# KiCad board RP2040_Fullsize.kicad_pcb
title: Echo Basic Keyboard RP2040; date: 2025-02-14; rev: 1.1; company: Michael O'Toole; note: Echo ENR2; note: 34 Pin Connector
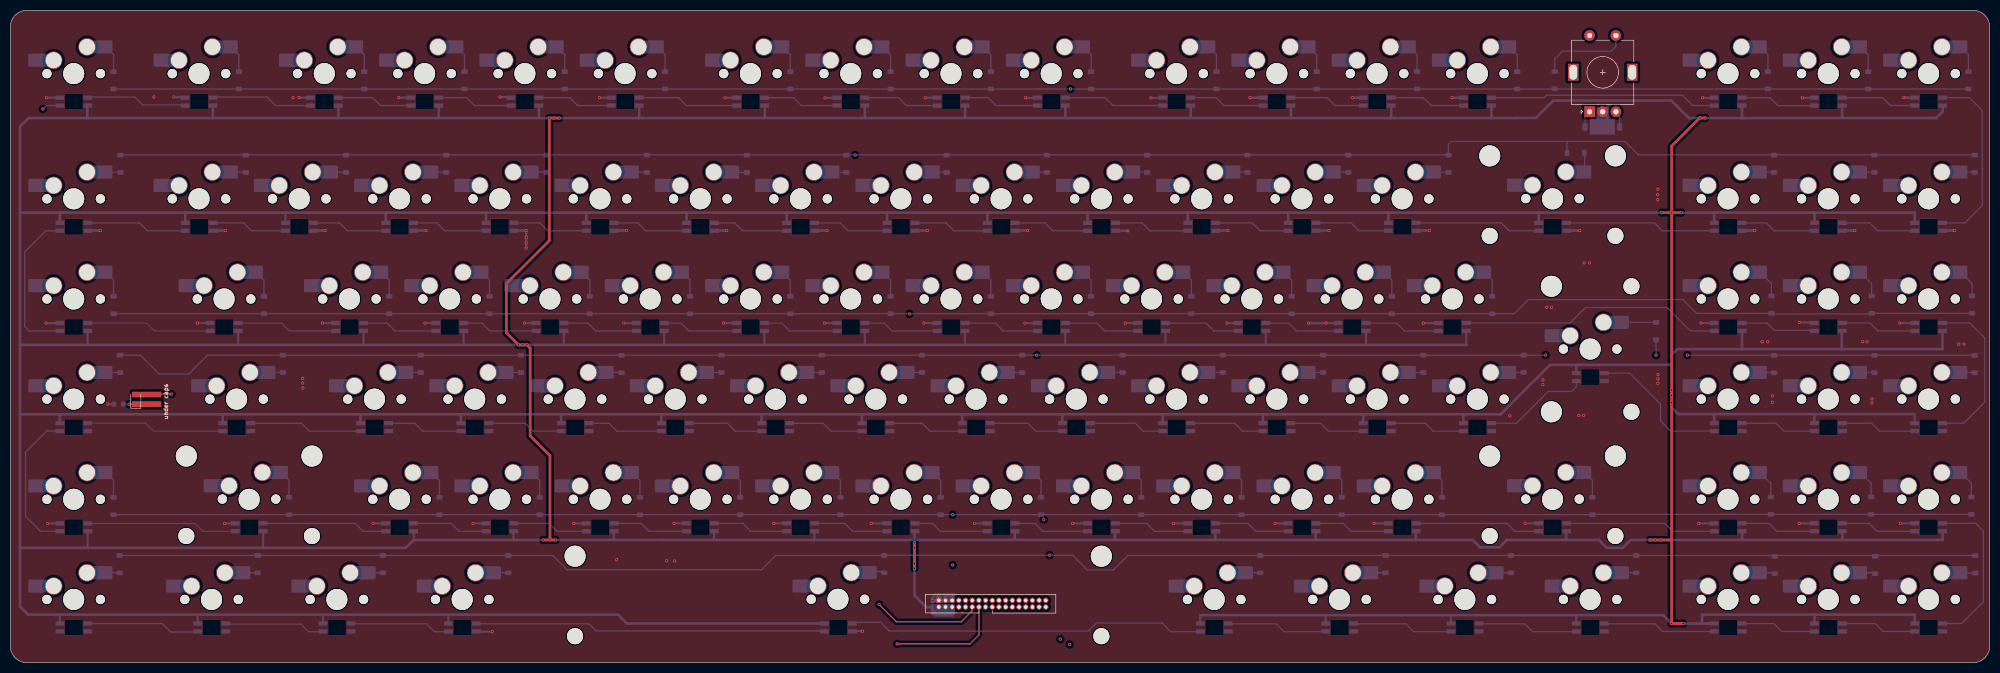
[diagram p0: board, top side]
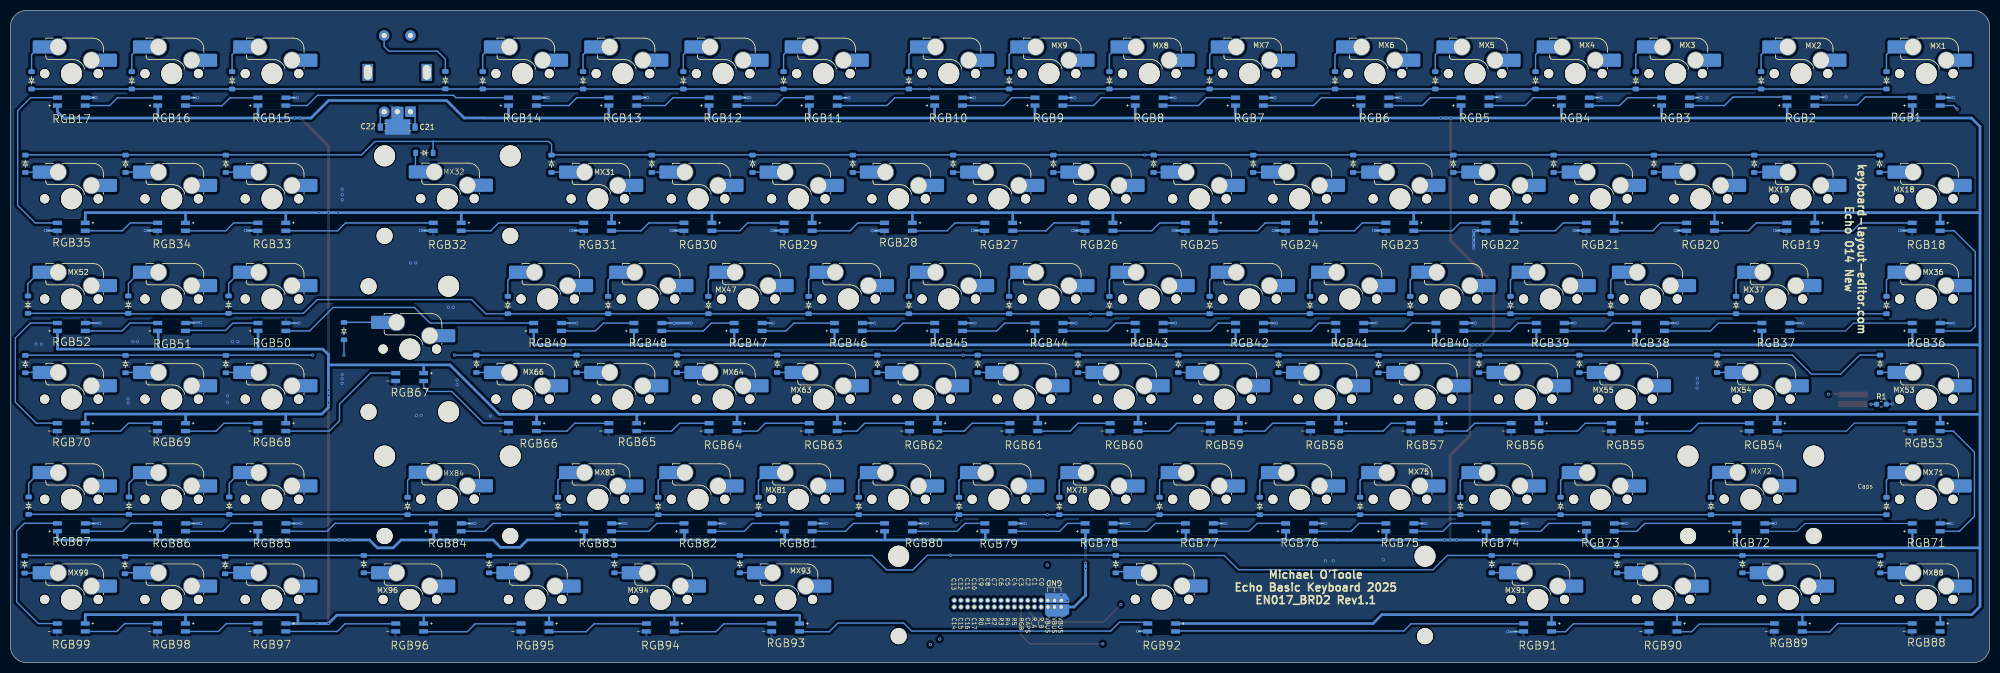
[diagram p1: board, bottom side, seen from below]

Outline 376 x 124 mm; copper layers: Top, In1.Cu, In2.Cu, Bottom. Coordinates in mm from the lower left corner of the outline.
Outline path: 0,121 0,3 arc(0.88,0.88) 3,0 373,0 arc(375.12,0.88) 376,3 376,121 arc(375.12,123.12) 373,124 3,124 arc(0.88,123.12) 0,121
Stack: Top 0.035mm / dielectric 0.1mm FR4 er 4.5 / In1.Cu 0.035mm / dielectric 1.24mm FR4 er 4.5 / In2.Cu 0.035mm / dielectric 0.1mm FR4 er 4.5 / Bottom 0.035mm

## Placement (name value [footprint] x y rotation side)
C21  10n  [C_0805_2012Metric]  300.1 101.84 0 bottom
C22  10n  [C_0805_2012Metric]  304.8 101.84 180 bottom
D1  4148  [Diode_SOD-123]  19.57 110.73 90 bottom
D2  4148  [Diode_SOD-123]  43.39 110.73 90 bottom
D3  4148  [Diode_SOD-123]  67.2 110.73 90 bottom
D4  4148  [Diode_SOD-123]  86.25 110.73 90 bottom
D5  4148  [Diode_SOD-123]  105.3 110.73 90 bottom
D6  4148  [Diode_SOD-123]  124.35 110.73 90 bottom
D7  4148  [Diode_SOD-123]  148.16 110.73 90 bottom
D8  4148  [Diode_SOD-123]  167.21 110.73 90 bottom
D9  4148  [Diode_SOD-123]  186.26 110.73 90 bottom
D10  4148  [Diode_SOD-123]  205.31 110.73 90 bottom
D11  4148  [Diode_SOD-123]  229.12 110.73 90 bottom
D12  4148  [Diode_SOD-123]  248.18 110.73 90 bottom
D13  4148  [Diode_SOD-123]  267.22 110.73 90 bottom
D14  4148  [Diode_SOD-123]  286.27 110.73 90 bottom
D15  4148  [Diode_SOD-123]  333.9 110.73 90 bottom
D16  4148  [Diode_SOD-123]  352.95 110.73 90 bottom
D17  4148  [Diode_SOD-123]  372 110.73 90 bottom
D18  4148  [Diode_SOD-123]  20.89 94.86 270 bottom
D19  4148  [Diode_SOD-123]  44.7 94.86 270 bottom
D20  4148  [Diode_SOD-123]  63.75 94.86 270 bottom
D21  4148  [Diode_SOD-123]  82.8 94.86 270 bottom
D22  4148  [Diode_SOD-123]  101.85 94.86 270 bottom
D23  4148  [Diode_SOD-123]  120.9 94.86 270 bottom
D24  4148  [Diode_SOD-123]  139.89 94.86 270 bottom
D25  4148  [Diode_SOD-123]  158.81 94.86 270 bottom
D26  4148  [Diode_SOD-123]  177.86 94.86 270 bottom
D27  4148  [Diode_SOD-123]  196.91 94.86 270 bottom
D28  4148  [Diode_SOD-123]  215.96 94.86 270 bottom
D29  4148  [Diode_SOD-123]  235.01 94.86 270 bottom
D30  4148  [Diode_SOD-123]  254.16 94.86 270 bottom
D31  4148  [Diode_SOD-123]  273.21 94.86 270 bottom
D32  4148  [Diode_SOD-123]  297.37 96.92 0 bottom
D33  4148  [Diode_SOD-123]  335.09 94.86 270 bottom
D34  4148  [Diode_SOD-123]  354.14 94.86 270 bottom
D35  4148  [Diode_SOD-123]  373.19 94.86 270 bottom
D36  4148  [Diode_SOD-123]  19.57 67.98 90 bottom
D37  4148  [Diode_SOD-123]  48.14 67.98 90 bottom
D38  4148  [Diode_SOD-123]  71.96 67.98 90 bottom
D39  4148  [Diode_SOD-123]  91.01 67.98 90 bottom
D40  4148  [Diode_SOD-123]  110.06 67.98 90 bottom
D41  4148  [Diode_SOD-123]  129.11 67.98 90 bottom
D42  4148  [Diode_SOD-123]  148.16 67.98 90 bottom
D43  4148  [Diode_SOD-123]  167.21 67.98 90 bottom
D44  4148  [Diode_SOD-123]  186.26 67.98 90 bottom
D45  4148  [Diode_SOD-123]  205.31 67.98 90 bottom
D46  4148  [Diode_SOD-123]  224.36 67.98 90 bottom
D47  4148  [Diode_SOD-123]  243.41 67.98 90 bottom
D48  4148  [Diode_SOD-123]  262.46 67.98 90 bottom
D49  4148  [Diode_SOD-123]  281.51 67.98 90 bottom
D50  4148  [Diode_SOD-123]  334.58 68.06 90 bottom
D51  4148  [Diode_SOD-123]  353.63 68.06 90 bottom
D52  4148  [Diode_SOD-123]  372.68 68.06 90 bottom
D53  4148  [Diode_SOD-123]  20.79 56.81 270 bottom
D54  4148  [Diode_SOD-123]  51.74 56.81 270 bottom
D55  4148  [Diode_SOD-123]  77.94 56.81 270 bottom
D56  4148  [Diode_SOD-123]  96.99 56.81 270 bottom
D57  4148  [Diode_SOD-123]  116.09 56.76 270 bottom
D58  4148  [Diode_SOD-123]  135.09 56.81 270 bottom
D59  4148  [Diode_SOD-123]  154.14 56.81 270 bottom
D60  4148  [Diode_SOD-123]  173.19 56.81 270 bottom
D61  4148  [Diode_SOD-123]  192.24 56.81 270 bottom
D62  4148  [Diode_SOD-123]  211.29 56.81 270 bottom
D63  4148  [Diode_SOD-123]  230.34 56.81 270 bottom
D64  4148  [Diode_SOD-123]  249.39 56.81 270 bottom
D65  4148  [Diode_SOD-123]  268.44 56.81 270 bottom
D66  4148  [Diode_SOD-123]  287.49 56.81 270 bottom
D67  4148  [Diode_SOD-123]  312.65 63.03 90 bottom
D68  4148  [Diode_SOD-123]  335.09 56.76 270 bottom
D69  4148  [Diode_SOD-123]  354.14 56.76 270 bottom
D70  4148  [Diode_SOD-123]  373.19 56.76 270 bottom
D71  4148  [Diode_SOD-123]  19.57 29.76 90 bottom
D72  4148  [Diode_SOD-123]  52.91 29.76 90 bottom
D73  4148  [Diode_SOD-123]  81.49 29.76 90 bottom
D74  4148  [Diode_SOD-123]  100.54 29.76 90 bottom
D75  4148  [Diode_SOD-123]  119.59 29.76 90 bottom
D76  4148  [Diode_SOD-123]  138.64 29.76 90 bottom
D77  4148  [Diode_SOD-123]  157.69 29.76 90 bottom
D78  4148  [Diode_SOD-123]  176.74 29.76 90 bottom
D79  4148  [Diode_SOD-123]  195.79 29.76 90 bottom
D80  4148  [Diode_SOD-123]  214.84 29.76 90 bottom
D81  4148  [Diode_SOD-123]  233.89 29.76 90 bottom
D82  4148  [Diode_SOD-123]  252.94 29.76 90 bottom
D83  4148  [Diode_SOD-123]  271.99 29.76 90 bottom
D84  4148  [Diode_SOD-123]  300.56 29.76 90 bottom
D85  4148  [Diode_SOD-123]  334.45 29.83 90 bottom
D86  4148  [Diode_SOD-123]  353.5 29.83 90 bottom
D87  4148  [Diode_SOD-123]  372.55 29.83 90 bottom
D88  4148  [Diode_SOD-123]  20.74 18.71 270 bottom
D89  4148  [Diode_SOD-123]  46.94 18.71 270 bottom
D90  4148  [Diode_SOD-123]  70.75 18.71 270 bottom
D91  4148  [Diode_SOD-123]  94.56 18.71 270 bottom
D92  4148  [Diode_SOD-123]  166 18.71 270 bottom
D93  4148  [Diode_SOD-123]  237.44 18.71 270 bottom
D94  4148  [Diode_SOD-123]  261.25 18.71 270 bottom
D95  4148  [Diode_SOD-123]  285.06 18.71 270 bottom
D96  4148  [Diode_SOD-123]  308.88 18.71 270 bottom
D97  4148  [Diode_SOD-123]  335.21 18.53 270 bottom
D98  4148  [Diode_SOD-123]  354.26 18.53 270 bottom
D99  4148  [Diode_SOD-123]  373.31 18.66 270 bottom
D100  4148  [Diode_SOD-123]  293.38 110.75 90 bottom
J1  Conn_02x17_Odd_Even  [IDC_2X17_1.27MM]  185.27 11.18 0 bottom
LED1  CAPS  [LED_0805_2012Metric]  23.81 50.05 90 top
MX1  MX_SW_HS  [SW_MX_HS_CPG151101S11_1u]  12 112 180 bottom
MX2  MX_SW_HS  [SW_MX_HS_CPG151101S11_1u]  35.81 112 180 bottom
MX3  MX_SW_HS  [SW_MX_HS_CPG151101S11_1u]  59.62 112 180 bottom
MX4  MX_SW_HS  [SW_MX_HS_CPG151101S11_1u]  78.67 112 180 bottom
MX5  MX_SW_HS  [SW_MX_HS_CPG151101S11_1u]  97.73 112 180 bottom
MX6  MX_SW_HS  [SW_MX_HS_CPG151101S11_1u]  116.77 112 180 bottom
MX7  MX_SW_HS  [SW_MX_HS_CPG151101S11_1u]  140.59 112 180 bottom
MX8  MX_SW_HS  [SW_MX_HS_CPG151101S11_1u]  159.64 112 180 bottom
MX9  MX_SW_HS  [SW_MX_HS_CPG151101S11_1u]  178.69 112 180 bottom
MX10  MX_SW_HS  [SW_MX_HS_CPG151101S11_1u]  197.74 112 180 bottom
MX11  MX_SW_HS  [SW_MX_HS_CPG151101S11_1u]  221.55 112 180 bottom
MX12  MX_SW_HS  [SW_MX_HS_CPG151101S11_1u]  240.6 112 180 bottom
MX13  MX_SW_HS  [SW_MX_HS_CPG151101S11_1u]  259.65 112 180 bottom
MX14  MX_SW_HS  [SW_MX_HS_CPG151101S11_1u]  278.7 112 180 bottom
MX15  MX_SW_HS  [SW_MX_HS_CPG151101S11_1u]  326.32 112 180 bottom
MX16  MX_SW_HS  [SW_MX_HS_CPG151101S11_1u]  345.38 112 180 bottom
MX17  MX_SW_HS  [SW_MX_HS_CPG151101S11_1u]  364.43 112 180 bottom
MX18  MX_SW_HS  [SW_MX_HS_CPG151101S11_1u]  12 88.19 180 bottom
MX19  MX_SW_HS  [SW_MX_HS_CPG151101S11_1u]  35.81 88.19 180 bottom
MX20  MX_SW_HS  [SW_MX_HS_CPG151101S11_1u]  54.86 88.19 180 bottom
MX21  MX_SW_HS  [SW_MX_HS_CPG151101S11_1u]  73.91 88.19 180 bottom
MX22  MX_SW_HS  [SW_MX_HS_CPG151101S11_1u]  92.96 88.19 180 bottom
MX23  MX_SW_HS  [SW_MX_HS_CPG151101S11_1u]  112.01 88.19 180 bottom
MX24  MX_SW_HS  [SW_MX_HS_CPG151101S11_1u]  131.06 88.19 180 bottom
MX25  MX_SW_HS  [SW_MX_HS_CPG151101S11_1u]  150.11 88.19 180 bottom
MX26  MX_SW_HS  [SW_MX_HS_CPG151101S11_1u]  169.16 88.19 180 bottom
MX27  MX_SW_HS  [SW_MX_HS_CPG151101S11_1u]  188.21 88.19 180 bottom
MX28  MX_SW_HS  [SW_MX_HS_CPG151101S11_1u]  207.26 88.19 180 bottom
MX29  MX_SW_HS  [SW_MX_HS_CPG151101S11_1u]  226.31 88.19 180 bottom
MX30  MX_SW_HS  [SW_MX_HS_CPG151101S11_1u]  245.36 88.19 180 bottom
MX31  MX_SW_HS  [SW_MX_HS_CPG151101S11_1u]  264.41 88.19 180 bottom
MX32  MX_SW_HS  [SW_MX_HS_CPG151101S11_2u]  292.99 88.19 180 bottom
MX33  MX_SW_HS  [SW_MX_HS_CPG151101S11_1u]  326.32 88.19 180 bottom
MX34  MX_SW_HS  [SW_MX_HS_CPG151101S11_1u]  345.38 88.19 180 bottom
MX35  MX_SW_HS  [SW_MX_HS_CPG151101S11_1u]  364.43 88.19 180 bottom
MX36  MX_SW_HS  [SW_MX_HS_CPG151101S11_1u]  12 69.14 180 bottom
MX37  MX_SW_HS  [SW_MX_HS_CPG151101S11_1.5u]  40.58 69.14 180 bottom
MX38  MX_SW_HS  [SW_MX_HS_CPG151101S11_1u]  64.39 69.14 180 bottom
MX39  MX_SW_HS  [SW_MX_HS_CPG151101S11_1u]  83.44 69.14 180 bottom
MX40  MX_SW_HS  [SW_MX_HS_CPG151101S11_1u]  102.49 69.14 180 bottom
MX41  MX_SW_HS  [SW_MX_HS_CPG151101S11_1u]  121.54 69.14 180 bottom
MX42  MX_SW_HS  [SW_MX_HS_CPG151101S11_1u]  140.59 69.14 180 bottom
MX43  MX_SW_HS  [SW_MX_HS_CPG151101S11_1u]  159.64 69.14 180 bottom
MX44  MX_SW_HS  [SW_MX_HS_CPG151101S11_1u]  178.69 69.14 180 bottom
MX45  MX_SW_HS  [SW_MX_HS_CPG151101S11_1u]  197.74 69.14 180 bottom
MX46  MX_SW_HS  [SW_MX_HS_CPG151101S11_1u]  216.79 69.14 180 bottom
MX47  MX_SW_HS  [SW_MX_HS_CPG151101S11_1u]  235.84 69.14 180 bottom
MX48  MX_SW_HS  [SW_MX_HS_CPG151101S11_1u]  254.89 69.14 180 bottom
MX49  MX_SW_HS  [SW_MX_HS_CPG151101S11_1u]  273.94 69.14 180 bottom
MX50  MX_SW_HS  [SW_MX_HS_CPG151101S11_1u]  326.32 69.14 180 bottom
MX51  MX_SW_HS  [SW_MX_HS_CPG151101S11_1u]  345.38 69.14 180 bottom
MX52  MX_SW_HS  [SW_MX_HS_CPG151101S11_1u]  364.43 69.14 180 bottom
MX53  MX_SW_HS  [SW_MX_HS_CPG151101S11_1u]  12 50.09 180 bottom
MX54  MX_SW_HS  [SW_MX_HS_CPG151101S11_1.75u]  42.96 50.09 180 bottom
MX55  MX_SW_HS  [SW_MX_HS_CPG151101S11_1u]  69.15 50.09 180 bottom
MX56  MX_SW_HS  [SW_MX_HS_CPG151101S11_1u]  88.2 50.09 180 bottom
MX57  MX_SW_HS  [SW_MX_HS_CPG151101S11_1u]  107.25 50.09 180 bottom
MX58  MX_SW_HS  [SW_MX_HS_CPG151101S11_1u]  126.3 50.09 180 bottom
MX59  MX_SW_HS  [SW_MX_HS_CPG151101S11_1u]  145.35 50.09 180 bottom
MX60  MX_SW_HS  [SW_MX_HS_CPG151101S11_1u]  164.4 50.09 180 bottom
MX61  MX_SW_HS  [SW_MX_HS_CPG151101S11_1u]  183.45 50.09 180 bottom
MX62  MX_SW_HS  [SW_MX_HS_CPG151101S11_1u]  202.5 50.09 180 bottom
MX63  MX_SW_HS  [SW_MX_HS_CPG151101S11_1u]  221.55 50.09 180 bottom
MX64  MX_SW_HS  [SW_MX_HS_CPG151101S11_1u]  240.6 50.09 180 bottom
MX65  MX_SW_HS  [SW_MX_HS_CPG151101S11_1u]  259.65 50.09 180 bottom
MX66  MX_SW_HS  [SW_MX_HS_CPG151101S11_1u]  278.7 50.09 180 bottom
MX67  MX_SW_HS  [SW_MX_HS_CPG151101S11_1u_ISO_Enter]  300.13 59.61 180 bottom
MX68  MX_SW_HS  [SW_MX_HS_CPG151101S11_1u]  326.32 50.09 180 bottom
MX69  MX_SW_HS  [SW_MX_HS_CPG151101S11_1u]  345.38 50.09 180 bottom
MX70  MX_SW_HS  [SW_MX_HS_CPG151101S11_1u]  364.43 50.09 180 bottom
MX71  MX_SW_HS  [SW_MX_HS_CPG151101S11_1u]  12 31.04 180 bottom
MX72  MX_SW_HS  [SW_MX_HS_CPG151101S11_2u]  45.34 31.04 180 bottom
MX73  MX_SW_HS  [SW_MX_HS_CPG151101S11_1u]  73.91 31.04 180 bottom
MX74  MX_SW_HS  [SW_MX_HS_CPG151101S11_1u]  92.96 31.04 180 bottom
MX75  MX_SW_HS  [SW_MX_HS_CPG151101S11_1u]  112.01 31.04 180 bottom
MX76  MX_SW_HS  [SW_MX_HS_CPG151101S11_1u]  131.06 31.04 180 bottom
MX77  MX_SW_HS  [SW_MX_HS_CPG151101S11_1u]  150.11 31.04 180 bottom
MX78  MX_SW_HS  [SW_MX_HS_CPG151101S11_1u]  169.16 31.04 180 bottom
MX79  MX_SW_HS  [SW_MX_HS_CPG151101S11_1u]  188.21 31.04 180 bottom
MX80  MX_SW_HS  [SW_MX_HS_CPG151101S11_1u]  207.26 31.04 180 bottom
MX81  MX_SW_HS  [SW_MX_HS_CPG151101S11_1u]  226.31 31.04 180 bottom
MX82  MX_SW_HS  [SW_MX_HS_CPG151101S11_1u]  245.36 31.04 180 bottom
MX83  MX_SW_HS  [SW_MX_HS_CPG151101S11_1u]  264.41 31.04 180 bottom
MX84  MX_SW_HS  [SW_MX_HS_CPG151101S11_2u]  292.99 31.04 180 bottom
MX85  MX_SW_HS  [SW_MX_HS_CPG151101S11_1u]  326.32 31.04 180 bottom
MX86  MX_SW_HS  [SW_MX_HS_CPG151101S11_1u]  345.38 31.04 180 bottom
MX87  MX_SW_HS  [SW_MX_HS_CPG151101S11_1u]  364.43 31.04 180 bottom
MX88  MX_SW_HS  [SW_MX_HS_CPG151101S11_1u]  12 11.99 180 bottom
MX89  MX_SW_HS  [SW_MX_HS_CPG151101S11_1.25u]  38.19 11.99 180 bottom
MX90  MX_SW_HS  [SW_MX_HS_CPG151101S11_1.25u]  62.01 11.99 180 bottom
MX91  MX_SW_HS  [SW_MX_HS_CPG151101S11_1.25u]  85.82 11.99 180 bottom
MX92  MX_SW_HS  [SW_MX_HS_6.25U]  157.26 11.99 180 bottom
MX93  MX_SW_HS  [SW_MX_HS_CPG151101S11_1.25u]  228.69 11.99 180 bottom
MX94  MX_SW_HS  [SW_MX_HS_CPG151101S11_1.25u]  252.51 11.99 180 bottom
MX95  MX_SW_HS  [SW_MX_HS_CPG151101S11_1.25u]  276.32 11.99 180 bottom
MX96  MX_SW_HS  [SW_MX_HS_CPG151101S11_1u]  300.13 11.99 180 bottom
MX97  MX_SW_HS  [SW_MX_HS_CPG151101S11_1u]  326.32 11.99 180 bottom
MX98  MX_SW_HS  [SW_MX_HS_CPG151101S11_1u]  345.38 11.99 180 bottom
MX99  MX_SW_HS  [SW_MX_HS_CPG151101S11_1u]  364.43 11.99 180 bottom
R1  1K  [R_0603_1608Metric_Pad0.98x0.95mm_HandSolder]  20.54 49.13 180 bottom
RGB1  -  [SK6812-E]  12.03 106.68 0 bottom
RGB2  -  [SK6812-E]  35.84 106.68 0 bottom
RGB3  -  [SK6812-E]  59.65 106.68 0 bottom
RGB4  -  [SK6812-E]  78.7 106.68 0 bottom
RGB5  -  [SK6812-E]  97.75 106.68 0 bottom
RGB6  -  [SK6812-E]  116.8 106.68 0 bottom
RGB7  -  [SK6812-E]  140.61 106.68 0 bottom
RGB8  -  [SK6812-E]  159.66 106.68 0 bottom
RGB9  -  [SK6812-E]  178.71 106.68 0 bottom
RGB10  -  [SK6812-E]  197.76 106.68 0 bottom
RGB11  -  [SK6812-E]  221.57 106.68 0 bottom
RGB12  -  [SK6812-E]  240.62 106.68 0 bottom
RGB13  -  [SK6812-E]  259.68 106.68 0 bottom
RGB14  -  [SK6812-E]  278.72 106.68 0 bottom
RGB15  -  [SK6812-E]  326.35 106.68 0 bottom
RGB16  -  [SK6812-E]  345.4 106.68 0 bottom
RGB17  -  [SK6812-E]  364.45 106.68 0 bottom
RGB18  -  [SK6812-E]  12.03 82.86 180 bottom
RGB19  -  [SK6812-E]  35.84 82.86 180 bottom
RGB20  -  [SK6812-E]  54.89 82.86 180 bottom
RGB21  -  [SK6812-E]  73.94 82.86 180 bottom
RGB22  -  [SK6812-E]  92.99 82.86 180 bottom
RGB23  -  [SK6812-E]  112.04 82.86 180 bottom
RGB24  -  [SK6812-E]  131.09 82.86 180 bottom
RGB25  -  [SK6812-E]  150.14 82.86 180 bottom
RGB26  -  [SK6812-E]  169.19 82.86 180 bottom
RGB27  -  [SK6812-E]  188.24 82.86 180 bottom
RGB28  -  [SK6812-E]  207.29 82.86 180 bottom
RGB29  -  [SK6812-E]  226.34 82.86 180 bottom
RGB30  -  [SK6812-E]  245.39 82.86 180 bottom
RGB31  -  [SK6812-E]  264.44 82.86 180 bottom
RGB32  -  [SK6812-E]  293.01 82.86 180 bottom
RGB33  -  [SK6812-E]  326.35 82.86 180 bottom
RGB34  -  [SK6812-E]  345.4 82.86 180 bottom
RGB35  -  [SK6812-E]  364.45 82.86 180 bottom
RGB36  -  [SK6812-E]  12.03 63.81 0 bottom
RGB37  -  [SK6812-E]  40.6 63.81 0 bottom
RGB38  -  [SK6812-E]  64.41 63.81 0 bottom
RGB39  -  [SK6812-E]  83.46 63.81 0 bottom
RGB40  -  [SK6812-E]  102.51 63.81 0 bottom
RGB41  -  [SK6812-E]  121.56 63.81 0 bottom
RGB42  -  [SK6812-E]  140.61 63.81 0 bottom
RGB43  -  [SK6812-E]  159.66 63.81 0 bottom
RGB44  -  [SK6812-E]  178.71 63.81 0 bottom
RGB45  -  [SK6812-E]  197.76 63.81 0 bottom
RGB46  -  [SK6812-E]  216.81 63.81 0 bottom
RGB47  -  [SK6812-E]  235.86 63.81 0 bottom
RGB48  -  [SK6812-E]  254.91 63.81 0 bottom
RGB49  -  [SK6812-E]  273.96 63.81 0 bottom
RGB50  -  [SK6812-E]  326.35 63.81 0 bottom
RGB51  -  [SK6812-E]  345.4 63.81 0 bottom
RGB52  -  [SK6812-E]  364.45 63.81 0 bottom
RGB53  -  [SK6812-E]  12.03 44.76 180 bottom
RGB54  -  [SK6812-E]  42.98 44.76 180 bottom
RGB55  -  [SK6812-E]  69.17 44.76 180 bottom
RGB56  -  [SK6812-E]  88.23 44.76 180 bottom
RGB57  -  [SK6812-E]  107.27 44.76 180 bottom
RGB58  -  [SK6812-E]  126.33 44.76 180 bottom
RGB59  -  [SK6812-E]  145.38 44.76 180 bottom
RGB60  -  [SK6812-E]  164.42 44.76 180 bottom
RGB61  -  [SK6812-E]  183.47 44.76 180 bottom
RGB62  -  [SK6812-E]  202.52 44.76 180 bottom
RGB63  -  [SK6812-E]  221.57 44.76 180 bottom
RGB64  -  [SK6812-E]  240.62 44.76 180 bottom
RGB65  -  [SK6812-E]  259.68 44.76 180 bottom
RGB66  -  [SK6812-E]  278.72 44.76 180 bottom
RGB67  -  [SK6812-E]  300.16 54.29 180 bottom
RGB68  -  [SK6812-E]  326.35 44.76 180 bottom
RGB69  -  [SK6812-E]  345.4 44.76 180 bottom
RGB70  -  [SK6812-E]  364.45 44.76 180 bottom
RGB71  -  [SK6812-E]  12.03 25.71 0 bottom
RGB72  -  [SK6812-E]  45.36 25.71 0 bottom
RGB73  -  [SK6812-E]  73.94 25.71 0 bottom
RGB74  -  [SK6812-E]  92.99 25.71 0 bottom
RGB75  -  [SK6812-E]  112.04 25.71 0 bottom
RGB76  -  [SK6812-E]  131.09 25.71 0 bottom
RGB77  -  [SK6812-E]  150.14 25.71 0 bottom
RGB78  -  [SK6812-E]  169.19 25.71 0 bottom
RGB79  -  [SK6812-E]  188.24 25.71 0 bottom
RGB80  -  [SK6812-E]  207.29 25.71 0 bottom
RGB81  -  [SK6812-E]  226.34 25.71 0 bottom
RGB82  -  [SK6812-E]  245.39 25.71 0 bottom
RGB83  -  [SK6812-E]  264.44 25.71 0 bottom
RGB84  -  [SK6812-E]  293.01 25.71 0 bottom
RGB85  -  [SK6812-E]  326.35 25.71 0 bottom
RGB86  -  [SK6812-E]  345.4 25.71 0 bottom
RGB87  -  [SK6812-E]  364.45 25.71 0 bottom
RGB88  -  [SK6812-E]  12.03 6.66 180 bottom
RGB89  -  [SK6812-E]  38.22 6.66 180 bottom
RGB90  -  [SK6812-E]  62.03 6.66 180 bottom
RGB91  -  [SK6812-E]  85.84 6.66 180 bottom
RGB92  -  [SK6812-E]  157.28 6.66 180 bottom
RGB93  -  [SK6812-E]  228.72 6.66 180 bottom
RGB94  -  [SK6812-E]  252.53 6.66 180 bottom
RGB95  -  [SK6812-E]  276.34 6.66 180 bottom
RGB96  -  [SK6812-E]  300.16 6.66 180 bottom
RGB97  -  [SK6812-E]  326.35 6.66 180 bottom
RGB98  -  [SK6812-E]  345.4 6.66 180 bottom
RGB99  -  [SK6812-E]  364.45 6.66 180 bottom
ROTARY1  Volume/RGB  [RotaryEncoder_Alps_EC11E-Switch_Vertical_H20mm]  300.01 104.75 90 top
S1  MX_stab  [Stabilizer_MX_2.00u]  45.34 31.04 180 top
S2  MX_stab  [Stabilizer_MX_2.00u]  292.99 88.13 180 top
S3  MX_stab  [Stabilizer_MX_2.00u]  300.99 59.61 270 top
S4  MX_stab  [Stabilizer_MX_6.25u]  157.26 11.99 180 top
S5  MX_stab  [Stabilizer_MX_2.00u]  292.99 31.04 180 top

## Library data of the parts
C21 C22 = -: Description: Unpolarized capacitor, small symbol; ki_fp_filters: C_*
D1-D100 = -: Description: Diode, small symbol; Sim.Device: D; Sim.Pins: 1=K 2=A; ki_fp_filters: TO-???* *_Diode_* *SingleDiode* D_*
J1 = -: Description: Generic connector, double row, 02x17, odd/even pin numbering scheme (row 1 odd numbers, row 2 even numbers), script generated (kicad-library-utils/schlib/autogen/connector/); LCSC: C5147222; ki_fp_filters: Connector*:*_2x??_*
LED1 = -: Description: Light emitting diode, small symbol, filled shape; ki_fp_filters: LED* LED_SMD:* LED_THT:*
MX1-MX86 MX88-MX99 = -: Description: Push button switch, normally open, two pins, 45° tilted, Kailh CPG151101S11 for Cherry MX style switches
MX87 = -: Description: Push button switch, normally open, two pins, 45° tilted, Gateron KS-2P02B01-01 for Cherry MX style switches
R1 = -: Description: Resistor, small symbol; ki_fp_filters: R_*
RGB1 = -: Datasheet: C5149201; Description: RGB LED with integrated controllerBackMount
RGB2-RGB99 = -: Datasheet: C5149201; Description: RGB LED with integrated controller
ROTARY1 = -: Description: Rotary encoder, dual channel, incremental quadrate outputs, with switch; ki_fp_filters: RotaryEncoder*Switch*
S1-S5 = -: Description: Cherry MX-style stabilizer

## Footprints (pads in the part's own frame, mm; a bottom-side part is the same pattern mirrored in y, then rotated)
C_0805_2012Metric
  rrect 1x1.45 smd: 1(-0.95,0) 2(0.95,0)
Diode_SOD-123
  rrect 0.9x1.2 smd: 1(-1.65,0) 2(1.65,0)
IDC_2X17_1.27MM
  rect 1x1 hole 0.65: 1(-8.89,-0.635)
  oval 1x1 hole 0.65: 2(-8.89,0.635) 3(-7.62,-0.635) 4(-7.62,0.635) 5(-6.35,-0.635) 6(-6.35,0.635) 7(-5.08,-0.635) 8(-5.08,0.635) 9(-3.81,-0.635) 10(-3.81,0.635) 11(-2.54,-0.635) 12(-2.54,0.635) 13(-1.27,-0.635) 14(-1.27,0.635) 15(0,-0.635) 16(0,0.635) 17(1.27,-0.635) 18(1.27,0.635) 19(2.54,-0.635) 20(2.54,0.635) 21(3.81,-0.635) 22(3.81,0.635) 23(5.08,-0.635) 24(5.08,0.635) 25(6.35,-0.635) 26(6.35,0.635) 27(7.62,-0.635) 28(7.62,0.635) 29(8.89,-0.635) 30(8.89,0.635) 31(10.16,-0.635) 32(10.16,0.635) 33(11.43,-0.635) 34(11.43,0.635)
LED_0805_2012Metric
  rrect 0.975x1.4 smd: 1(-0.938,0) 2(0.938,0)
R_0603_1608Metric_Pad0.98x0.95mm_HandSolder
  rrect 0.975x0.95 smd: 1(-0.912,0) 2(0.912,0)
RotaryEncoder_Alps_EC11E-Switch_Vertical_H20mm
  rect 3.2x2 hole 2.8x1.5 unplated: (7.5,3.1) (7.5,-8.1)
  rect 2x2 hole 1: A(0,0)
  round 2 hole 1: B(0,-5) C(0,-2.5) S1(14.5,-5) S2(14.5,0)
SK6812-E
  rect 1.675x0.82 smd: 1(2.65,0.75) 2(2.65,-0.75) 3(-2.675,-0.75) 4(-2.65,0.75)
Stabilizer_MX_2.00u
  round 3.048 hole 3.048 unplated: (-11.938,6.985) (11.938,6.985)
  round 3.988 hole 3.988 unplated: (-11.938,-8.225) (11.938,-8.225)
Stabilizer_MX_6.25u
  round 3.048 hole 3.048 unplated: (-50,6.985) (50,6.985)
  round 3.988 hole 3.988 unplated: (-50,-8.225) (50,-8.225)
SW_MX_HS_6.25U
  round 1.75 hole 1.75 unplated: (-5.031,0.03) (5.129,0.03)
  round 3.988 hole 3.988 unplated: (0.049,0.03)
  round 3.3 hole 3: 1(3.859,2.57) 2(-2.491,5.11)
  rect 1.65x2.5 smd: 1(5.684,2.57) 2(-4.291,5.11)
  rrect 2.55x2.5 smd: 1(7.409,2.57) 2(-6.041,5.11)
SW_MX_HS_CPG151101S11_1.5u
  round 1.75 hole 1.75 unplated: (-5.08,0) (5.08,0)
  round 3.988 hole 3.988 unplated: (0,0)
  round 3.3 hole 3: 1(3.81,2.54) 2(-2.54,5.08)
  rect 1.65x2.5 smd: 1(5.635,2.54) 2(-4.34,5.08)
  rrect 2.55x2.5 smd: 1(7.36,2.54) 2(-6.09,5.08)
SW_MX_HS_CPG151101S11_1.25u
  round 1.75 hole 1.75 unplated: (-5.08,0) (5.08,0)
  round 3.988 hole 3.988 unplated: (0,0)
  round 3.3 hole 3: 1(3.81,2.54) 2(-2.54,5.08)
  rect 1.65x2.5 smd: 1(5.635,2.54) 2(-4.34,5.08)
  rrect 2.55x2.5 smd: 1(7.36,2.54) 2(-6.09,5.08)
SW_MX_HS_CPG151101S11_1.75u
  round 1.75 hole 1.75 unplated: (-5.08,0) (5.08,0)
  round 3.988 hole 3.988 unplated: (0,0)
  round 3.3 hole 3: 1(3.81,2.54) 2(-2.54,5.08)
  rect 1.65x2.5 smd: 1(5.635,2.54) 2(-4.34,5.08)
  rrect 2.55x2.5 smd: 1(7.36,2.54) 2(-6.09,5.08)
SW_MX_HS_CPG151101S11_1u
  round 1.75 hole 1.75 unplated: (-5.08,0) (5.08,0)
  round 3.988 hole 3.988 unplated: (0,0)
  round 3.3 hole 3: 1(3.81,2.54) 2(-2.54,5.08)
  rect 1.65x2.5 smd: 1(5.635,2.54) 2(-4.34,5.08)
  rrect 2.55x2.5 smd: 1(7.36,2.54) 2(-6.09,5.08)
SW_MX_HS_CPG151101S11_1u_ISO_Enter
  round 1.75 hole 1.75 unplated: (-5.08,0) (5.08,0)
  round 3.988 hole 3.988 unplated: (0,0)
  round 3.3 hole 3: 1(3.81,2.54) 2(-2.54,5.08)
  rect 1.65x2.5 smd: 1(5.635,2.54) 2(-4.34,5.08)
  rrect 2.55x2.5 smd: 1(7.36,2.54) 2(-6.09,5.08)
SW_MX_HS_CPG151101S11_2u
  round 1.75 hole 1.75 unplated: (-5.07,0.04) (5.09,0.04)
  round 3.988 hole 3.988 unplated: (0,-0.01)
  round 3.3 hole 3: 1(3.82,2.58) 2(-2.53,5.12)
  rect 1.65x2.5 smd: 1(5.645,2.58) 2(-4.33,5.12)
  rrect 2.55x2.5 smd: 1(7.37,2.58) 2(-6.08,5.12)
